# Altium PCB Thermostat_EEM.PCBDOC (part 5 of 10)
Units mm, origin at the board's own origin, x right, y up, seen from the top; angles counter-clockwise.
Board outline 162.48 x 100 mm, 4 copper layers (TOP, G1, L2, BOT), stack 1.55 mm thick; 903 components, 476 nets, 2667 pads, 1400 vias.
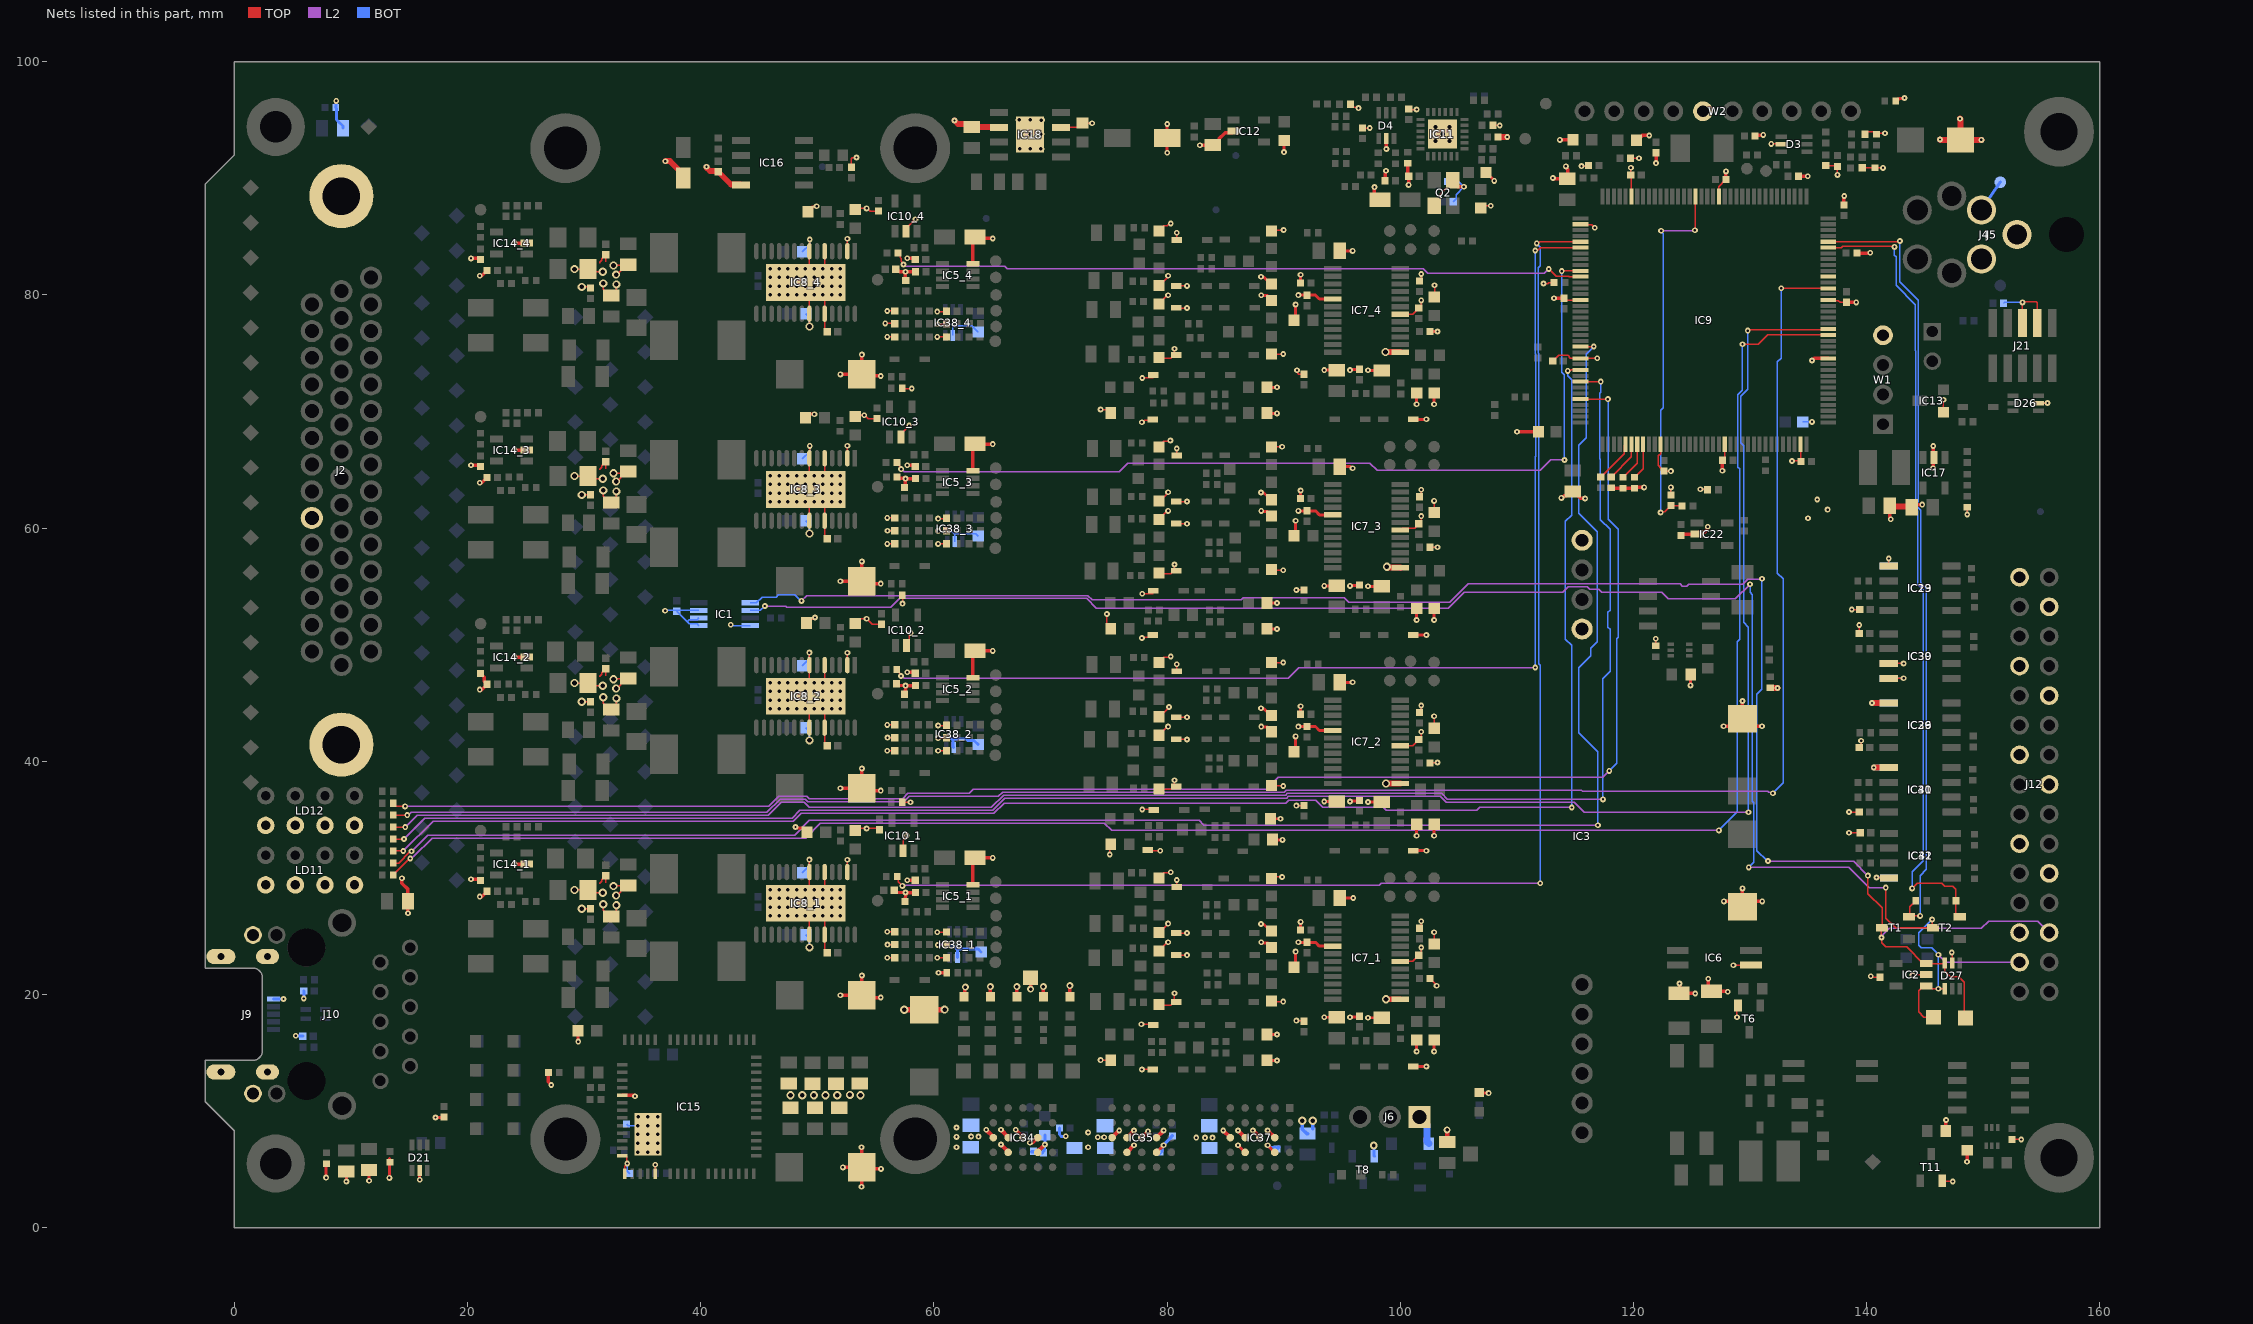
[diagram p7: the nets of this part, all layers, seen from the top]

## Via types
v1: diameter 0.5, hole 0.2, TOP to BOT, tented both sides, 1027 vias
v2: diameter 0.7, hole 0.4, TOP to BOT, tented both sides, 186 vias
v3: diameter 0.6, hole 0.3, TOP to BOT, tented both sides, 97 vias
v4: diameter 0.6, hole 0.3, TOP to BOT, 81 vias
v5: diameter 0.66, hole 0.33, TOP to BOT, tented both sides, 9 vias

## Nets (pads, with @x,y where several pads share a name; then routed paths per layer and width w, separated by ;. In a path a pad name is that pad's centre, name@x,y a point inside that pad or via, vN(x,y) a via of type N, cw(c..) or ccw(c..) an arc to the next point about the centre after c; other vN are vias at no path point) (continued)
GND: B25.1 C1.1 C2.1 C3.2 C4.2 C6.1 C7.1 C8.1 C9.1 C10.1 C11.1 C12.1 C13.1 C14.1 C15.2 C16_1.2 C16_2.2 C16_3.2 C16_4.2 C17.1 C18.1 C19.2 C20_1.2 C20_2.2 C20_3.2 C20_4.2 C21.2 C22.2 C23.1 C24.1 C25.1 C26_1.2 C26_2.2 C26_3.2 C26_4.2 C28.1 C29.1 C30.1 C31.1 C32.1 C33.1 C34.1 C35.2 C36.1 C37.2 C38.2 C39_1.2 C39_2.2 C39_3.2 C39_4.2 C40_1.2 C40_2.2 C40_3.2 C40_4.2 C41_1.2 C41_2.2 C41_3.2 C41_4.2 C42_1.2 C42_2.2 C42_3.2 C42_4.2 C43_1.2 C43_2.2 C43_3.2 C43_4.2 C44_1.2 C44_2.2 C44_3.2 C44_4.2 C45_1.2 C45_2.2 C45_3.2 C45_4.2 C47_1.1 C47_2.1 C47_3.1 C47_4.1 C48_1.1 C48_2.1 C48_3.1 C48_4.1 C49_1.2 C49_2.2 C49_3.2 C49_4.2 C50_1.1 C50_2.1 C50_3.1 C50_4.1 C51_1.2 C51_2.2 C51_3.2 C51_4.2 C52_1.2 C52_2.2 C52_3.2 C52_4.2 C54_1.2 C54_2.2 C54_3.2 C54_4.2 C55_1.1 C55_2.1 C55_3.1 C55_4.1 C56_1.1 C56_2.1 C56_3.1 C56_4.1 C57_1.1 C57_2.1 C57_3.1 C57_4.1 C58_1.1 C58_2.1 C58_3.1 C58_4.1 C59_1.2 C59_2.2 C59_3.2 C59_4.2 C60_1.2 C60_2.2 C60_3.2 C60_4.2 C61_1.1 C61_2.1 C61_3.1 C61_4.1 C64.1 C65.1 C66_1.2 C66_2.2 C66_3.2 C66_4.2 C67_1.1 C67_2.1 C67_3.1 C67_4.1 C68_1.1 C68_2.1 C68_3.1 C68_4.1 C69_1.1 C69_2.1 C69_3.1 C69_4.1 C70_1.2 C70_2.2 C70_3.2 C70_4.2 C71_1.2 C71_2.2 C71_3.2 C71_4.2 C72_1.2 C72_2.2 C72_3.2 C72_4.2 C73_1.2 C73_2.2 C73_3.2 C73_4.2 C74_1.2 C74_2.2 C74_3.2 C74_4.2 C75_1.2 C75_2.2 C75_3.2 C75_4.2 C76_1.2 C76_2.2 C76_3.2 C76_4.2 C77.2 C78.1 C79.2 C80.1 C81.1 C83_1.1 C83_2.1 C83_3.1 C83_4.1 C84.1 C85.1 C86_1.2 C86_2.2 C86_3.2 C86_4.2 C87.1 C88.1 C89.2 C90_1.2 C90_2.2 C90_3.2 C90_4.2 C91.2 C92.2 C93.2 C94.1 C95.1 C96.1 C97.1 C98.1 C99.2 C100.1 C101.1 C102.2 C103.2 C104_1.2 C104_2.2 C104_3.2 C104_4.2 C106_1.1 C106_2.1 C106_3.1 C106_4.1 C107_1.2 C107_2.2 C107_3.2 C107_4.2 C108.1 C109.1 C111_1.1 C111_2.1 C111_3.1 C111_4.1 C112.2 C113.1 C114.2 C115.1 C116_1.2 C116_2.2 C116_3.2 C116_4.2 C117.1 C119_1.2 C119_2.2 C119_3.2 C119_4.2 C122_1.1 C122_2.1 C122_3.1 C122_4.1 C123_1.1 C123_2.1 C123_3.1 C123_4.1 C126.2 C127_1.2 C127_2.2 C127_3.2 C127_4.2 C144.1 C145.1 C146.1 C147.1 C148.1 C152.1 C155.1 C156.1 C157.1 C158.1 C159.2 C160.2 C161.2 C162_1.1 C162_2.1 C162_3.1 C162_4.1 C163.1 C164.1 C165.2 C166.1 C167.1 C168_1.1 C168_2.1 C168_3.1 C168_4.1 D3.2 D4.2 D12.2 D15_1.2 D15_2.2 D15_3.2 D15_4.2 D16_1.2 D16_2.2 D16_3.2 D16_4.2 D19_1.2 D19_2.2 D19_3.2 D19_4.2 D20_1.2 D20_2.2 D20_3.2 D20_4.2 D21.2 D24.2 D25.2 D26.2 D27.2 D32_1.2 D32_2.2 D32_3.2 D32_4.2 D33_1.2 D33_2.2 D33_3.2 D33_4.2 D34_1.2 D34_2.2 D34_3.2 D34_4.2 IC1.4 IC1.5 IC1.6 IC1.7 IC2.2 IC3.7 IC3.10 IC5_1.8 IC5_2.8 IC5_3.8 IC5_4.8 IC6.3 IC7_1.1 IC7_1.6 IC7_1.17 IC7_2.1 IC7_2.6 IC7_2.17 IC7_3.1 IC7_3.6 IC7_3.17 IC7_4.1 IC7_4.6 IC7_4.17 IC8_1.0 IC8_1.2 IC8_1.5 IC8_1.7 IC8_1.22 IC8_1.24 IC8_2.0 IC8_2.2 IC8_2.5 IC8_2.7 IC8_2.22 IC8_2.24 IC8_3.0 IC8_3.2 IC8_3.5 IC8_3.7 IC8_3.22 IC8_3.24 IC8_4.0 IC8_4.2 IC8_4.5 IC8_4.7 IC8_4.22 IC8_4.24 IC9.16 IC9.31 IC9.38 IC9.51 IC9.61 IC9.83 IC9.94 IC9.107 IC9.120 IC9.130 IC10_1.2 IC10_2.2 IC10_3.2 IC10_4.2 IC11.25 IC12.2 IC13.1 IC14_1.2 IC14_2.2 IC14_3.2 IC14_4.2 IC15.1 IC15.5 IC15.56 IC15.64 IC15.65 IC16.4 IC17.2 IC18.3 IC18.6 IC18.9 IC19.5 IC22.2 IC23.4 IC29.5 IC30.3 IC30.4 IC31.5 IC32.4 IC34.B3 IC34.B4 IC34.C3 IC34.D3 IC34.D4 IC34.E3 IC35.B3 IC35.B4 IC35.C3 IC35.D3 IC35.D4 IC35.E3 IC36.4 IC37.B3 IC37.B4 IC37.C3 IC37.D3 IC37.D4 IC37.E3 IC38_1.2 IC38_2.2 IC38_3.2 IC38_4.2 IC39.5 IC40.4 IC41.5 J2.36 J2.45 J2.46 J4.1 J5.1 J5.2 J6.1 J9.5 J9.6 J10.L2 J10.L4 J12.1 J12.4 J12.7 J12.10 J12.13 J12.16 J12.19 J12.22 J12.25 J21.3 J21.5 LD2.1 LD3.1 LD4.1 LD6.1 LD9.1 LD10.1 LD11.1 LD11.3 LD11.5 LD11.7 LD12.1 LD12.3 LD12.5 LD12.7 Q2.2 Q2.4 R8.2 R25.2 R26.2 R28.2 R31.1 R32.1 R63.2 R68.1 R75.2 R81.2 R84.2 R85.1 R93.2 R104.1 R106.2 R107_1.2 R107_2.2 R107_3.2 R107_4.2 R119.2 R125.1 R127_1.1 R127_2.1 R127_3.1 R127_4.1 R130_1.2 R130_2.2 R130_3.2 R130_4.2 R135.2 R139.1 R154.1 R195.1 R196.1 R197.1 R219.1 R220.2 R221.1 R222.1 R223.2 R228.1 R230.1 R231.1 T6.2 T8.2 T11.2 TP9.1 W1.4 W2.5 | length 613.5
  TOP w0.127: C83_1.1@21.013,29.892 C83_1.1@21.111,29.795 ; C83_3.1@21.013,65.392 C83_3.1@21.111,65.295 ; C83_4.1@21.013,83.142 C83_4.1@21.111,83.045 ; v1(21.052,28.404) v1@21.231,28.404 ; v1(21.052,63.904) v1@21.231,63.904 ; v1(21.052,81.654) v1@21.231,81.654 ; v2(29.184,28.971) 30.055,28.971 30.289,28.737 v2(31.608,28.737) ; v2(29.184,46.721) 30.055,46.721 30.289,46.487 v2(31.608,46.487) ; v2(29.184,64.471) 30.055,64.471 30.289,64.237 v2(31.608,64.237) ; v2(29.184,82.221) 30.055,82.221 30.289,81.987 v2(31.608,81.987) ; v2(29.801,27.36) C61_1.1@30.552,27.36 ; v2(29.801,45.11) C61_2.1@30.552,45.11 ; v2(29.801,62.86) C61_3.1@30.552,62.86 ; v2(29.801,80.698) 30.464,80.698 C61_4.1@30.552,80.61 ; 31.355,29.493 31.355,29.565 31.524,29.734 31.524,29.866 C66_1.2@31.852,30.194 31.852,29.595 ; 31.355,47.243 31.355,47.315 31.524,47.484 31.524,47.616 C66_2.2@31.852,47.944 31.852,47.345 ; 31.355,64.993 31.355,65.065 31.524,65.234 31.524,65.366 C66_3.2@31.852,65.694 31.852,65.095 ; 31.355,82.743 31.355,82.815 31.524,82.984 31.524,83.116 C66_4.2@31.852,83.444 31.852,82.845 ; v2(31.646,27.745) 31.646,27.24 32.184,26.702 C60_1.2@32.325,26.702 32.775,27.152 v2(32.775,27.657) ; v2(31.646,45.495) 31.646,44.99 32.184,44.452 C60_2.2@32.325,44.452 32.775,44.902 v2(32.775,45.407) ; v2(31.646,63.245) 31.646,62.74 32.184,62.202 C60_3.2@32.325,62.202 32.775,62.652 v2(32.775,63.157) ; v2(31.646,80.995) 31.646,80.49 32.184,79.952 C60_4.2@32.325,79.952 32.775,80.402 v2(32.775,80.907) ; v2(32.523,29.301) 32.573,29.351 C67_1.1@33.644,29.351 ; v2(32.523,47.051) 32.573,47.101 C67_2.1@33.644,47.101 ; v2(32.523,64.716) 33.493,64.716 C67_3.1@33.627,64.851 ; v2(32.523,82.532) 33.558,82.532 C67_4.1@33.627,82.601 ; v2(32.75,28.5) 32.839,28.5 33.166,28.827 33.166,28.889 33.627,29.351 C67_1.1@33.644,29.351 ; v2(32.75,46.25) 32.839,46.25 33.166,46.577 33.166,46.639 33.627,47.101 C67_2.1@33.644,47.101 ; v2(32.75,64) 32.839,64 33.166,64.327 33.166,64.389 C67_3.1@33.627,64.851 ; v2(32.75,81.75) 32.839,81.75 33.166,82.077 33.166,82.139 C67_4.1@33.627,82.601 ; IC15.64@33.276,6.17 33.576,6.17 33.663,6.083 33.663,5.623 v1@33.654,5.613 ; IC15.1@33.501,4.75 33.501,5.265 33.704,5.468 v1(33.704,5.512) ; C67_1.1@33.802,29.351 C67_1.1@33.644,29.351 ; C67_2.1@33.802,47.101 C67_2.1@33.644,47.101 ; C67_3.1@33.802,64.851 C67_3.1@33.627,64.851 ; C67_4.1@33.802,82.601 C67_4.1@33.627,82.601 ; v1@34.291,11.37 v1(34.375,11.286) ; IC15.5@36.101,4.645 v1(36.101,5.401) ; IC8_2.0@49.155,45.428 IC8_2.0@49.332,45.25 ; v1(49.325,31.572) 49.325,30.512 IC8_1.7@49.332,30.505 49.332,28.15 IC8_1.0@49.007,27.825 49.332,27.5 IC8_1.22@49.332,25.145 ; v1(49.325,49.327) 49.325,48.262 IC8_2.7@49.332,48.255 49.332,45.9 IC8_2.0@49.007,45.575 IC8_2.0@49.332,45.25 ; IC8_2.22@49.332,42.895 IC8_2.0@49.332,45.25 ; IC8_3.22@49.332,60.645 49.332,63 IC8_3.0@49.007,63.325 49.332,63.65 IC8_3.7@49.332,66.005 49.351,66.024 v1(49.351,67.056) ; v2@49.351,77.47 49.332,77.489 IC8_4.22@49.332,78.395 49.332,80.75 IC8_4.0@49.007,81.075 49.332,81.4 IC8_4.7@49.332,83.755 49.351,83.774 v1(49.351,84.76) ; IC8_2.0@50.336,44.359 IC8_2.0@50.632,44.064 ; IC8_2.0@50.391,46.846 IC8_2.0@50.632,47.087 ; IC8_1.5@50.632,30.505 50.632,29.337 49.121,27.825 50.632,26.314 IC8_1.24@50.632,25.145 50.632,23.815 C68_1.1@50.857,23.59 ; IC8_2.5@50.632,48.255 IC8_2.0@50.632,47.087 ; IC8_3.5@50.632,66.005 50.632,64.837 49.121,63.325 50.632,61.814 IC8_3.24@50.632,60.645 50.632,59.315 C68_3.1@50.857,59.09 ; IC8_4.5@50.632,83.755 50.632,82.587 49.121,81.075 50.632,79.564 IC8_4.24@50.632,78.395 50.632,77.065 C68_4.1@50.857,76.84 ; C68_2.1@50.857,41.34 50.632,41.565 IC8_2.24@50.632,42.895 IC8_2.0@50.632,44.064 ; v1(52.196,5.182) v1@52.214,5.2 ; IC8_1.2@52.582,30.505 v1(52.582,31.567) ; IC8_2.2@52.582,48.255 v1(52.582,49.317) ; IC8_3.2@52.582,66.005 v1(52.582,67.067) ; IC8_4.2@52.582,83.755 v1(52.582,84.817) ; C38.2@52.932,90.95 52.932,91.689 53.016,91.772 53.35,91.772 v1(53.367,91.789) ; C57_1.1@53.25,34.075 53.425,34.25 v1(54.232,34.25) 55.24,34.25 C116_1.2@55.345,34.145 ; C57_2.1@53.25,51.825 53.662,52.236 54.229,52.236 v1(54.232,52.24) 54.715,51.757 C116_2.2@55.5,51.757 ; C57_3.1@53.25,69.575 53.367,69.692 v1(54.025,69.692) 54.074,69.692 54.361,69.405 C116_3.2@55.114,69.405 ; C57_4.1@53.25,87.325 53.36,87.435 53.364,87.431 v1(54.232,87.431) 54.333,87.431 54.563,87.2 C116_4.2@55.244,87.2 ; v1(53.796,6.909) v1@53.8,6.905 ; C15.2@53.8,5.2 C15.2@53.945,5.055 ; C59_1.2@53.825,19.944 C59_1.2@54.025,19.744 ; C59_2.2@53.825,37.694 C59_2.2@54.025,37.494 ; C59_3.2@53.825,55.444 C59_3.2@54.025,55.244 ; C59_4.2@53.825,73.194 54.025,72.994 C59_4.2@54.089,73.057 ; v1(55.825,77.562) 56.629,77.562 C72_4.2@56.655,77.536 ; v1(56,23.157) C70_1.2@56.655,23.157 ; v1(56,25.383) C74_1.2@56.655,25.383 ; v1(56,40.907) C70_2.2@56.655,40.907 ; v1(56,43.133) C74_2.2@56.655,43.133 ; v1(56,58.657) C70_3.2@56.655,58.657 ; v1(56,60.883) C74_3.2@56.655,60.883 ; v1(56,76.407) C70_4.2@56.655,76.407 ; v1(56,78.633) C74_4.2@56.655,78.633 ; v1(56.021,24.286) C72_1.2@56.655,24.286 ; v1(56.021,42.036) C72_2.2@56.655,42.036 ; v1(56.021,59.786) C72_3.2@56.655,59.786 ; IC10_3.2@57.163,67.812 57.163,68.062 57.597,68.496 57.597,68.617 57.782,68.803 v1(57.883,68.803) ; R107_2.2@57.295,36.494 v1(58,36.494) ; R107_3.2@57.295,54.244 57.314,54.225 v1(57.314,53.531) ; R107_4.2@57.295,71.994 57.314,71.975 v1(58.1,71.975) ; IC10_1.2@57.369,32.335 57.369,33.312 57.669,33.613 v1(57.669,33.635) ; IC10_4.2@57.625,85.472 57.625,85.722 58.395,86.492 v1(58.425,86.492) ; IC10_2.2@57.669,49.949 57.884,50.163 57.884,50.944 57.961,51.021 v1(58.018,51.021) ; C76_2.2@58.379,47.571 C76_2.2@58.4,47.55 ; v1(60.287,25.353) 61.071,25.353 C75_1.2@61.075,25.358 ; v1(60.287,78.571) 61.038,78.571 C75_4.2@61.075,78.608 ; v1(60.288,23.157) C71_1.2@61.075,23.157 ; v1(60.288,76.407) C71_4.2@61.075,76.407 ; v1(60.327,24.246) 61.035,24.246 C73_1.2@61.075,24.286 ; v1(60.327,77.496) 61.035,77.496 C73_4.2@61.075,77.536 ; v1(60.363,40.907) C71_2.2@61.075,40.907 ; v1(60.363,41.996) 61.035,41.996 C73_2.2@61.075,42.036 ; v1(60.363,43.071) 61.038,43.071 C75_2.2@61.075,43.108 ; v1(60.363,58.657) C71_3.2@61.075,58.657 ; v1(60.363,59.746) 61.035,59.746 C73_3.2@61.075,59.786 ; v1(60.363,60.821) 61.038,60.821 C75_3.2@61.075,60.858 ; IC18.3@70.9,94.385 72.4,94.385 C113.1@72.75,94.735 v1(73.575,94.735) ; v1(74.302,14.381) R130_1.2@75.152,14.381 ; v1(74.302,70.174) 74.859,70.174 R130_4.2@75.152,69.881 ; v1(74.837,52.635) 74.837,51.695 R130_3.2@75.152,51.381 ; v1(75.091,32.021) 75.091,32.82 R130_2.2@75.152,32.881 ; v1(77.799,17.45) 78.756,17.45 D32_1.2@78.825,17.381 ; v1(77.844,13.581) D33_1.2@78.794,13.581 ; v1(77.844,50.581) 77.907,50.644 78.607,50.644 D33_3.2@78.794,50.831 ; v1(77.844,69.081) 77.927,69.081 78.104,69.258 D33_4.2@78.81,69.258 ; v1(77.875,35.881) D32_2.2@78.825,35.881 ; v1(77.875,54.381) D32_3.2@78.825,54.381 ; v1(77.875,72.881) D32_4.2@78.825,72.881 ; D33_2.2@78.383,32.339 v1(79.413,32.339) ; C111_1.1@79.292,19.095 80.319,19.095 80.649,19.425 80.709,19.425 80.639,19.495 v1(80.639,20.115) ; C107_1.2@79.292,23.789 79.317,23.789 80.012,24.484 v1(80.095,24.484) ; C106_1.1@79.292,25.281 79.317,25.281 80.095,26.059 v1(80.095,26.084) ; C104_1.2@79.292,30.031 79.704,30.442 80.266,30.442 v1(80.319,30.495) ; C111_2.1@79.292,37.595 80.319,37.595 80.649,37.925 80.709,37.925 80.639,37.995 v1(80.639,38.384) ; C107_2.2@79.292,42.289 79.317,42.289 80.012,42.984 v1(80.095,42.984) ; C106_2.1@79.292,43.781 79.317,43.781 80.174,44.638 v1(80.174,44.663) ; C104_2.2@79.292,48.531 79.704,48.942 80.266,48.942 v1(80.319,48.995) ; C111_3.1@79.292,56.095 80.319,56.095 80.649,56.425 80.709,56.425 80.639,56.495 v1(80.639,56.884) ; C107_3.2@79.292,60.789 79.317,60.789 80.012,61.484 v1(80.095,61.484) ; C106_3.1@79.292,62.281 79.317,62.281 80.095,63.059 v1(80.095,63.084) ; C104_3.2@79.292,67.031 79.704,67.442 80.101,67.442 80.185,67.527 v1(80.286,67.527) ; C111_4.1@79.292,74.595 80.319,74.595 80.649,74.925 80.709,74.925 80.639,74.995 v1(80.639,75.384) ; C107_4.2@79.292,79.289 79.317,79.289 80.012,79.984 v1(80.095,79.984) ; C106_4.1@79.292,80.781 79.317,80.781 80.095,81.559 v1(80.095,81.646) ; C104_4.2@79.292,85.531 79.704,85.942 80.026,85.942 80.218,86.134 v1(80.319,86.134) ; D25.2@80.012,93.462 D25.2@80.025,93.475 D25.2@80.012,93.488 ; D19_1.2@80.799,23.398 80.814,23.384 v1(81.709,23.384) ; D19_2.2@80.799,41.898 80.814,41.884 v1(81.709,41.884) ; D19_3.2@80.799,60.398 80.814,60.384 v1(81.709,60.384) ; D19_4.2@80.799,78.898 80.814,78.884 v1(81.709,78.884) ; D16_1.2@80.799,25.282 v1(81.709,25.282) ; D16_2.2@80.799,43.782 v1(81.709,43.782) ; D16_3.2@80.799,62.282 v1(81.709,62.282) ; D16_4.2@80.799,80.782 v1(81.709,80.782) ; D15_1.2@80.839,29.227 v1(80.839,29.834) ; D15_2.2@80.839,47.727 v1(80.839,48.334) ; D15_3.2@80.839,66.227 v1(80.839,66.834) ; D15_4.2@80.839,84.727 v1(80.839,85.334) ; C55_1.1@88.955,19.395 v1(89.97,19.395) ; C45_1.2@88.955,30.023 89.021,30.089 v1(89.869,30.089) ; C55_2.1@88.955,37.895 v1(89.97,37.895) ; C45_2.2@88.955,48.523 89,48.477 v1(89.97,48.477) ; C55_3.1@88.955,56.395 v1(89.97,56.395) ; C45_3.2@88.955,67.023 88.988,66.989 v1(89.869,66.989) ; C55_4.1@88.955,74.895 88.994,74.934 v1(89.97,74.934) ; C45_4.2@88.955,85.523 89,85.569 v1(90,85.569) ; C115.1@90.03,93.236 C115.1@90.052,93.258 ; v1@91.092,17.706 91.155,17.768 91.677,17.768 C39_1.2@91.74,17.706 ; v1(91.092,36.206) C39_2.2@91.74,36.206 ; v1(91.092,54.706) C39_3.2@91.74,54.706 ; v1(91.147,73.542) 91.219,73.47 91.219,73.296 91.309,73.206 C39_4.2@91.74,73.206 ; R28.2@95.728,96.35 95.728,96.33 95.954,96.104 96.237,96.104 96.318,96.023 v1(96.419,96.023) ; C80.1@96.752,94.323 96.756,94.318 v1(97.38,94.318) ; C77.2@97.789,88.631 C77.2@98.245,88.175 ; v1@98.695,90.462 98.78,90.547 v1(98.78,90.648) ; IC7_1.6@100.021,22.848 101.065,22.848 101.802,23.585 v1(101.802,24.036) ; IC7_2.6@100.021,41.348 101.065,41.348 C49_2.2@101.576,41.859 ; IC7_3.6@100.021,59.848 100.182,60.01 101.227,60.01 101.446,60.229 C49_3.2@101.446,60.427 ; IC7_4.6@100.021,78.348 101.065,78.348 101.802,79.085 v1(101.802,79.536) ; C79.2@100.72,95.949 100.764,95.905 v1(101.403,95.905) ; C49_2.2@101.596,41.879 101.802,42.085 v1(101.802,42.536) ; C49_3.2@101.596,60.379 101.802,60.585 v1(101.802,61.036) ; C54_1.2@101.653,25.696 101.802,25.845 v1(101.802,26.294) ; C54_2.2@101.653,44.196 101.802,44.345 v1(101.802,44.794) ; C54_3.2@101.653,62.696 101.802,62.845 v1(101.802,63.294) ; C54_4.2@101.653,81.196 101.802,81.345 v1(101.802,81.794) ; C86_1.2@102.553,21.368 103.123,20.798 v1(103.123,20.752) ; C86_2.2@102.553,39.868 102.585,39.901 v1(103.199,39.901) ; C86_3.2@102.553,58.368 v1(103.199,58.368) ; C48_1.1@102.903,24.339 v1(102.903,25.339) ; C48_2.1@102.903,42.839 v1(102.903,43.865) ; C48_3.1@102.903,61.339 v1(102.903,62.339) ; C48_4.1@102.903,79.839 102.94,79.876 v1(102.94,80.839) ; Q2.4@102.92,87.65 103.431,88.162 103.431,88.636 Q2.2@104.52,89.725 ; C87.1@106.901,87.443 107.107,87.649 v1(107.766,87.649) ; R25.2@107.946,94.55 107.96,94.536 v1(108.538,94.536) ; v1(112.287,80.985) 112.293,80.979 112.653,80.979 112.743,81.069 R32.1@113.183,81.069 ; C95.1@113.082,74.341 113.582,74.842 114.371,74.842 114.482,74.73 114.482,74.673 114.587,74.569 IC9.61@115.453,74.569 115.455,74.571 116.898,74.571 v1(116.9,74.573) ; C30.1@114.053,79.719 114.203,79.569 IC9.51@115.453,79.569 ; IC9.38@115.453,86.069 115.501,86.02 116.423,86.02 116.672,85.771 v1(116.684,85.771) ; v1(115.545,91.049) 116.095,91.049 C23.1@116.147,91.1 ; C24.1@119.756,91.732 v1(120.473,91.732) ; C31.1@119.778,90.3 v1(119.778,90.918) ; IC9.31@119.828,88.444 C31.1@119.828,90.037 ; C25.1@120.351,93.262 C25.1@120.401,93.312 ; R85.1@121.915,49.918 v1(121.915,50.52) ; IC9.83@122.328,67.194 122.328,66.383 122.253,66.309 122.222,66.309 122.11,66.197 122.11,65.409 122.401,65.118 C96.1@122.401,64.922 ; C96.1@122.611,64.909 122.622,64.897 v1(123.21,64.897) ; C89.2@123.21,62.845 v1(123.21,63.499) ; v1(125.741,63.333) 126.319,63.333 R75.2@126.358,63.294 ; IC9.16@127.328,88.444 127.328,89.304 C33.1@127.935,89.912 ; C97.1@127.628,65.819 127.828,66.019 IC9.94@127.828,67.194 ; v1(128.571,22.517) IC6.3@130.083,22.517 ; v1(128.878,18.052) 128.878,18.979 T6.2@128.965,19.066 ; v1(131.823,92.963) D3.2@132.675,92.963 ; D3.2@132.675,92.925 D3.2@132.95,92.925 ; v1(133.605,65.764) 134.322,65.764 C98.1@134.378,65.708 ; C98.1@134.328,65.758 IC9.107@134.328,67.194 ; C126.2@136.5,91.1 137.43,91.1 R93.2@137.5,91.03 v1(137.5,90.3) ; IC9.130@136.703,79.569 136.754,79.517 137.568,79.517 137.717,79.369 C32.1@138.278,79.369 ; v1@138.053,88.46 v1(138.078,88.485) ; v1(138.485,33.875) C145.1@139.445,33.875 ; v1(138.485,35.656) C147.1@139.362,35.656 ; v1(138.723,53.025) C148.1@139.412,53.025 ; C144.1@139.362,41.193 139.528,41.36 v1(139.528,41.776) ; C146.1@139.362,50.968 v1(139.362,51.696) ; C93.2@139.617,90.918 R84.2@140.723,90.918 141.38,90.918 v1(141.4,90.898) ; C92.2@139.864,93.784 140.091,94.011 140.618,94.011 R81.2@140.845,93.784 140.939,93.878 v1(141.577,93.878) ; v1@140.277,83.6 v1(140.305,83.628) ; v1(140.345,21.575) 140.428,21.492 C2.1@141.143,21.492 ; v1(140.842,30.048) 140.87,30.02 IC32.4@141.925,30.02 ; IC30.4@141.894,47.127 v1(143.171,47.126) ; IC30.3@141.894,48.397 v1(143.171,48.397) ; IC19.5@141.894,56.751 v1(141.894,57.4) ; v1@141.982,60.94 v1@142.065,60.856 ; C78.1@143.871,61.803 143.905,61.77 C78.1@144.155,62.02 ; v1(143.94,21.666) 143.976,21.702 IC2.2@145.119,21.702 ; T11.2@146.563,3.976 v1(147.39,3.976) ; IC13.1@146.588,69.956 v1(146.588,71.012) ; v1@146.8,9.229 v1(146.819,9.247) ; v1(147.294,23.61) 147.337,23.567 D27.2@147.337,22.702 ; v1(148.613,5.664) v1@148.64,5.691 ; v1(148.625,61.17) R104.1@148.625,61.803 ; R196.1@152.47,7.572 v1(153.259,7.572) ; J21.5@153.36,77.5 v1(153.36,79.369) ; v1@153.44,79.477 153.496,79.42 154.556,79.42 154.63,79.346 J21.3@154.63,77.5 ; D26.2@154.43,70.713 154.448,70.731 v1(155.509,70.731) ; IC8_2.0@50.632,44.064 49.121,45.575 IC8_2.0@50.632,47.087
  TOP w0.254: R223.2@7.878,5.208 7.881,5.205 v1(7.881,4.299) ; C161.2@9.615,4.876 9.618,4.872 v1(9.618,3.967) ; C102.2@11.564,4.95 11.567,4.947 v1(11.567,4.041) ; v1(13.306,4.283) 13.306,5.956 ; D21.2@15.9,4.9 15.9,4.123 v1(15.904,4.119) ; v1(17.263,9.462) 17.277,9.476 17.982,9.476 C85.1@17.996,9.49 ; C152.1@29.489,16.887 29.489,15.979 v1(29.5,15.968) ; v1(48.131,34.367) 48.198,34.367 48.26,34.305 48.779,34.305 49.127,33.957 C168_1.1@49.127,33.932 ; C168_3.1@49.008,69.474 49.308,69.774 v1(49.756,69.774) ; C168_2.1@49.06,51.865 49.06,51.89 49.408,52.238 49.64,52.238 49.742,52.34 v1(49.808,52.34) ; C168_4.1@49.195,87.14 49.195,87.165 49.543,87.513 49.568,87.513 49.623,87.568 49.896,87.568 v1(49.943,87.615) ; C162_1.1@56.602,28.956 56.785,28.773 56.911,28.773 56.934,28.75 v1(57.575,28.75) ; C162_2.1@56.805,46.649 56.954,46.5 v1(57.575,46.5) ; v1@64.419,8.329 v1@64.572,8.329 ; v1@65.689,7.059 v1@65.842,7.059 ; v1@65.689,8.329 v1@65.842,8.329 ; v1@66.959,8.329 v1@67.112,8.329 ; v1(67.031,8.407) IC34.C3@67.642,7.799 ; v1@69.441,7.059 v1@69.441,7.062 ; v1@69.441,7.212 v1@69.441,7.062 ; v1(69.519,7.14) v1@69.441,7.062 ; v1@75.82,8.269 v1@75.82,8.422 ; v1@77.09,6.999 v1@77.09,7.152 ; v1@77.09,8.269 v1@77.09,8.422 ; IC35.B4@79.1,6.47 79.63,7.002 v1(79.708,7.08) ; v1@79.63,8.269 v1@79.63,8.422 ; v1(80.012,92.195) D25.2@80.012,93.462 ; D25.2@80.012,93.488 v1(80.012,94.659) ; v1(86.087,7.073) IC37.D4@86.698,6.466 ; v1(88.064,26.059) 88.111,26.012 88.309,26.012 88.93,25.391 C47_1.1@88.955,25.391 ; v1(88.064,44.559) 88.111,44.512 88.309,44.512 88.93,43.891 C47_2.1@88.955,43.891 ; v1(88.064,63.059) 88.111,63.012 88.309,63.012 88.93,62.391 C47_3.1@88.955,62.391 ; v1(88.064,81.559) 88.111,81.512 88.309,81.512 88.93,80.891 C47_4.1@88.955,80.891 ; v1(88.073,24.484) 88.12,24.437 88.607,24.437 C52_1.2@88.955,24.089 ; v1(88.073,42.984) 88.12,42.937 88.607,42.937 C52_2.2@88.955,42.589 ; v1(88.073,61.484) 88.12,61.437 88.607,61.437 C52_3.2@88.955,61.089 ; v1(88.073,79.984) 88.12,79.937 88.607,79.937 C52_4.2@88.955,79.589 ; C122_1.1@88.569,14.381 88.602,14.347 v1(89.429,14.347) ; C16_1.2@88.569,16.581 v1(89.429,16.581) ; C122_3.1@88.569,51.381 88.602,51.347 v1(89.429,51.347) ; C16_3.2@88.569,53.581 v1(89.429,53.581) ; C122_4.1@88.569,69.881 88.602,69.847 v1(89.429,69.847) ; C16_4.2@88.569,72.081 v1(89.429,72.081) ; v1(88.627,7.073) IC37.B4@89.238,6.466 ; C16_2.2@88.864,35.081 v1(89.724,35.081) ; C122_2.1@89.044,33.3 89.078,33.266 v1(89.904,33.266) ; v1(90.03,92.25) C115.1@90.03,93.236 ; C50_1.1@91.027,22.745 v1(91.027,23.681) ; C50_2.1@91.027,41.245 v1(91.027,42.145) ; C50_3.1@91.027,59.745 v1(91.027,60.645) ; C50_4.1@91.027,78.245 v1(91.027,79.184) ; v1(91.266,24.486) 92.723,24.486 93.06,24.148 IC7_1.17@94.221,24.148 ; v1(91.266,42.984) 91.267,42.985 92.001,42.985 C51_2.2@92.003,42.986 92.723,42.986 93.06,42.648 IC7_2.17@94.221,42.648 ; v1(91.266,61.486) 92.723,61.486 93.06,61.148 IC7_3.17@94.221,61.148 ; v1(91.266,79.986) 92.723,79.986 93.06,79.648 IC7_4.17@94.221,79.648 ; C43_1.2@91.453,25.539 v1(91.453,26.233) ; C43_2.2@91.453,44.039 v1(91.453,44.733) ; C43_3.2@91.453,62.539 v1(91.453,63.233) ; C43_4.2@91.453,81.039 v1(91.453,81.733) ; v1(93.478,18.056) C40_1.2@94.552,18.056 ; v1(93.478,36.556) C40_2.2@94.552,36.556 ; v1(93.478,55.056) C40_3.2@94.552,55.056 ; v1(93.478,73.556) C40_4.2@94.552,73.556 ; C44_1.2@94.803,28.282 v1(95.97,28.282) ; C44_2.2@94.803,46.782 v1(95.918,46.782) ; C44_3.2@94.803,65.282 95.715,65.282 95.851,65.146 v1(95.918,65.146) ; C44_4.2@94.803,83.782 v1(95.918,83.782) ; v1(95.686,18.056) 95.728,18.097 96.461,18.097 C41_1.2@96.503,18.139 ; v1(95.686,36.556) 95.728,36.597 96.461,36.597 C41_2.2@96.503,36.639 ; v1(95.686,55.056) 95.728,55.097 96.461,55.097 C41_3.2@96.503,55.139 ; v1(95.686,73.556) 95.728,73.597 96.461,73.597 C41_4.2@96.503,73.639 ; v1(97.227,18.014) C42_1.2@98.417,18.014 ; v1(97.227,36.514) C42_2.2@98.417,36.514 ; v1(97.227,55.014) C42_3.2@98.417,55.014 ; v1(97.227,73.542) 98.389,73.542 C42_4.2@98.417,73.514 ; D34_1.2@101.131,13.839 v1(102.242,13.839) ; D34_2.2@101.131,32.339 v1(102.242,32.339) ; D34_3.2@101.131,50.839 v1(102.242,50.839) ; D34_4.2@101.131,69.339 v1(102.242,69.339) ; v1(101.403,15.124) C123_1.1@101.403,16.106 ; v1(101.403,33.624) C123_2.1@101.403,34.606 ; v1(101.403,52.124) C123_3.1@101.403,53.106 ; v1(101.403,70.624) C123_4.1@101.403,71.606 ; C86_4.2@102.553,76.868 v1(103.199,76.868) ; v1(102.903,15.124) C119_1.2@102.903,16.106 ; v1(102.903,33.624) C119_2.2@102.903,34.606 ; v1(102.903,52.124) C119_3.2@102.903,53.106 ; v1(102.903,70.624) C119_4.2@102.903,71.606 ; LD2.1@106.825,11.55 v1(107.579,11.55) ; C100.1@107.357,90.513 108.055,89.814 v1(108.055,89.785) ; v1(124.898,46.518) 124.904,46.523 124.904,46.58 124.9,46.583 R68.1@124.9,47.458 ; R125.1@142.499,96.631 142.499,96.651 142.662,96.814 142.797,96.814 142.825,96.842 143.201,96.842 v1(143.248,96.889)